# Altium PCB KCP-2282-601-PCBV3.8.PcbDoc (part 1 of 3) (continued)
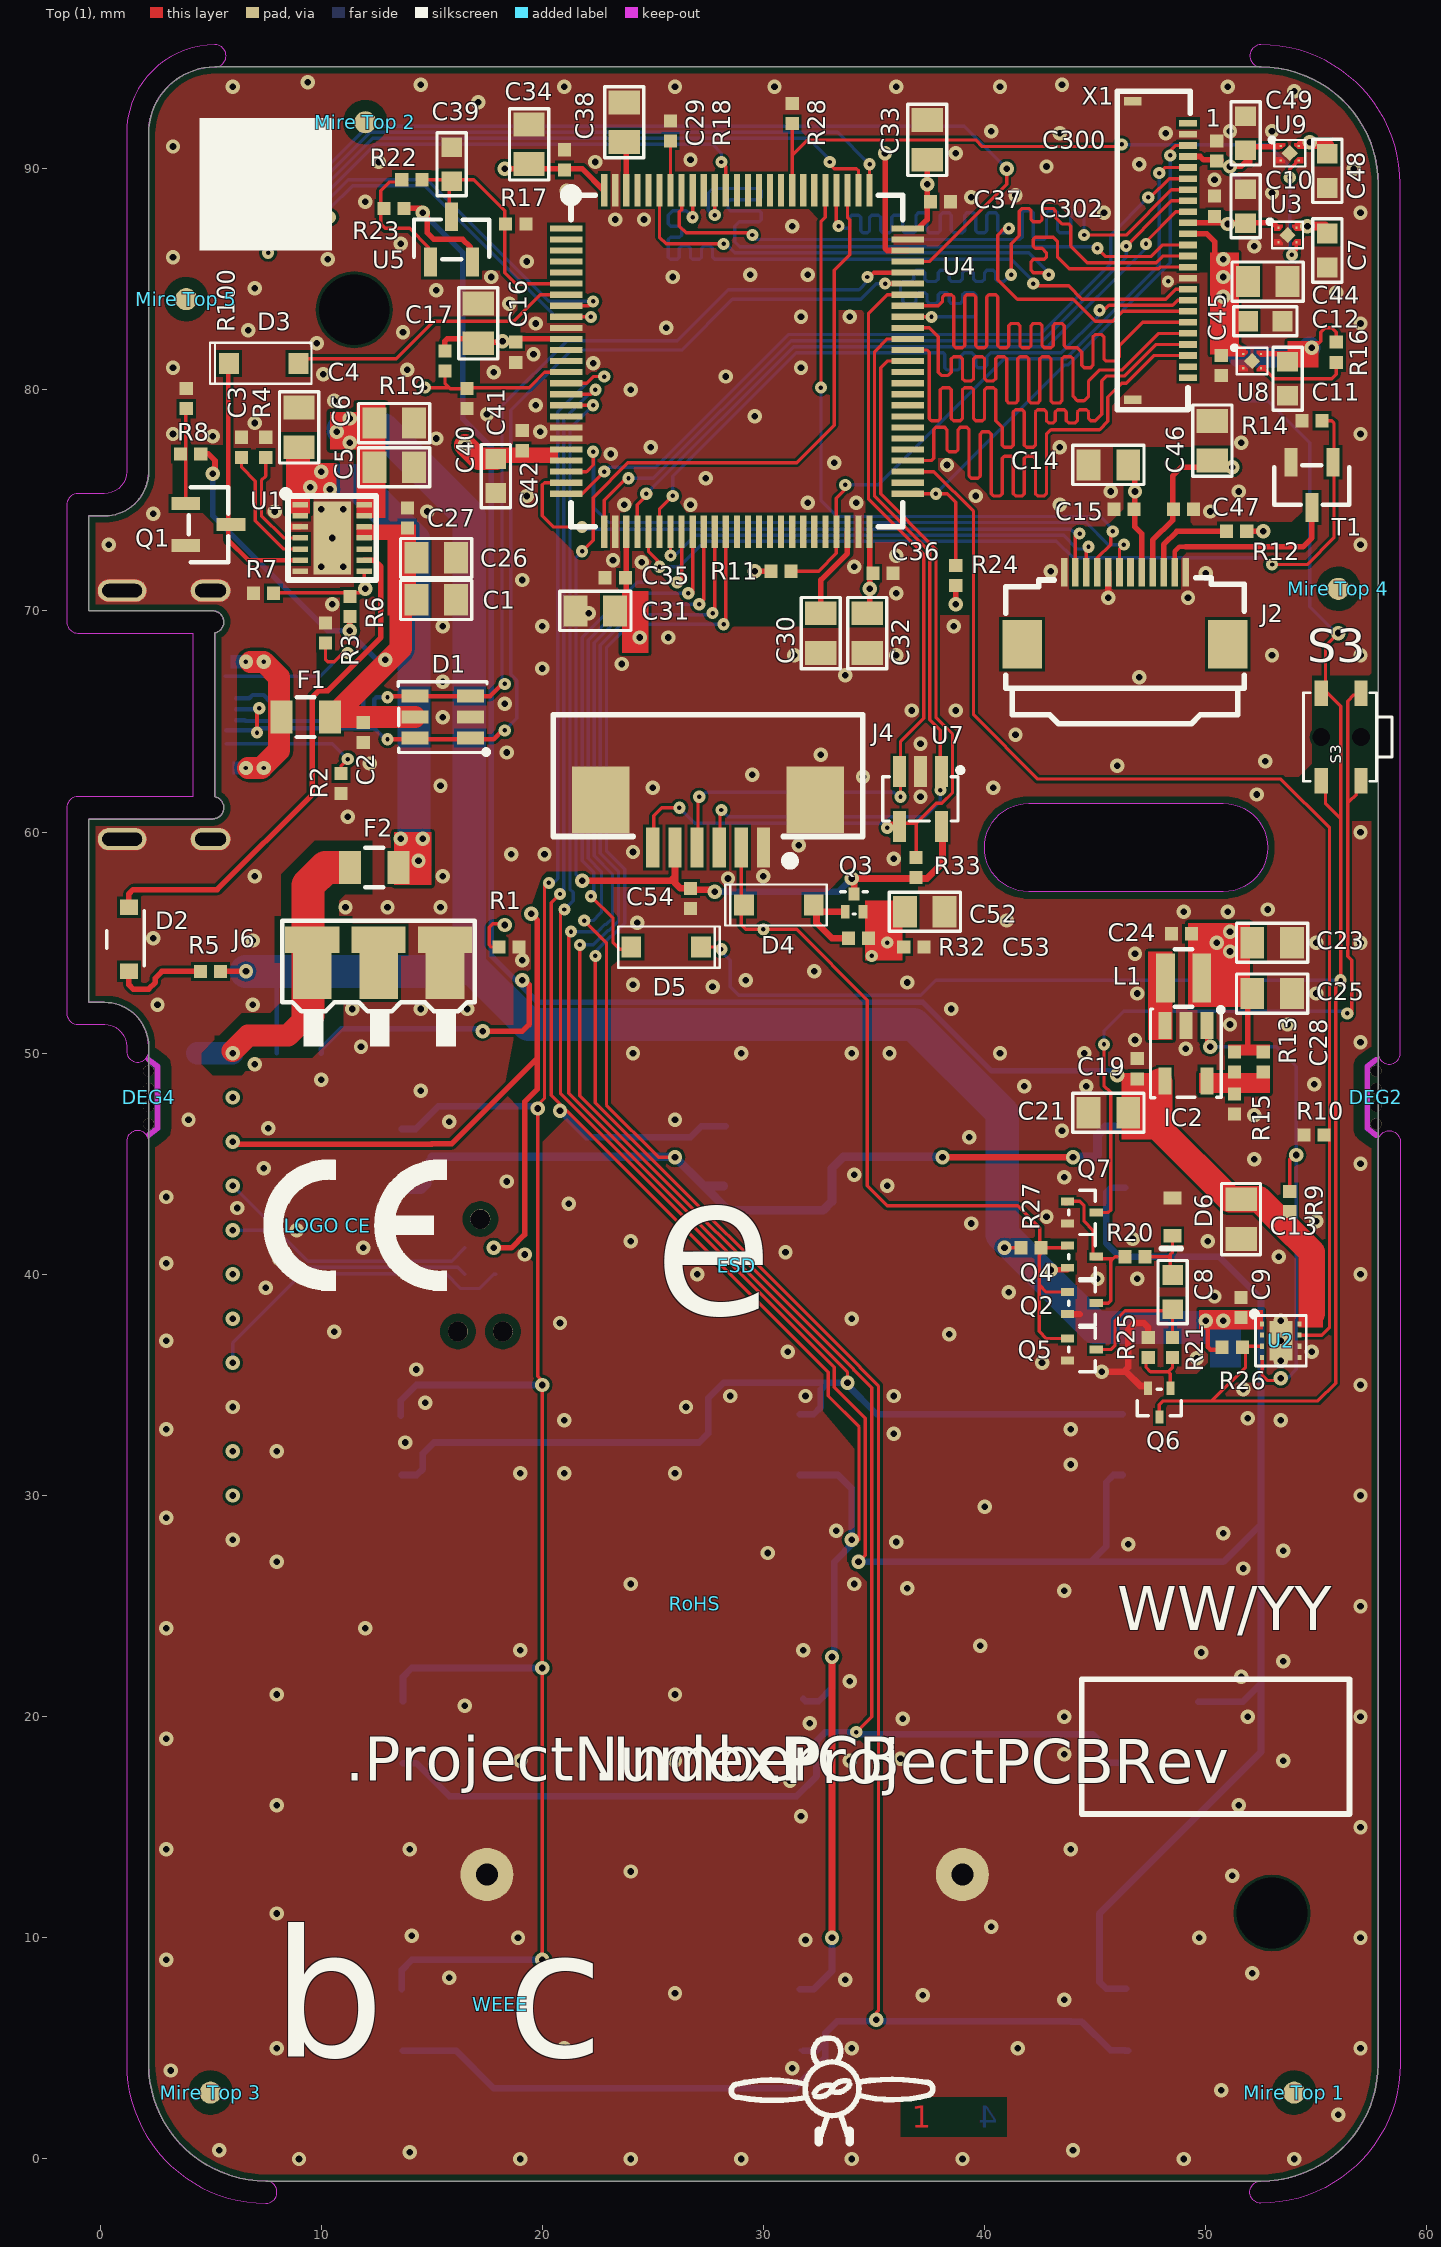
[diagram p0: Top (1) view]
## Design rules (kind name [scope] priority, off if disabled: settings) (continued)
FanoutControl Fanout_LCC [IsLCC] p4: bgadir=Out bgaviamode=Centered fanoutstyle=Auto fanoutdirection=Alternating viagrid=0.025 // Fanout_LCC (Default Rule)
FanoutControl Fanout_SOIC [IsSOIC] p5: bgadir=Out bgaviamode=Centered fanoutstyle=Auto fanoutdirection=Alternating viagrid=0.025 // Fanout_SOIC (Default Rule)
FanoutControl Fanout_Small_2 [(CompPinCount < 5)] p6: bgadir=Out bgaviamode=Centered fanoutstyle=Auto fanoutdirection=OutThenIn viagrid=0.025 // Fanout_Small (Default Rule)
FanoutControl Fanout_Small [(CompPinCount < 5)] p7: bgadir=Out bgaviamode=Centered fanoutstyle=Auto fanoutdirection=OutThenIn viagrid=0.025 // Fanout_Small (Default Rule)
FanoutControl Fanout_SOIC_2 [IsSOIC] p8: bgadir=Out bgaviamode=Centered fanoutstyle=Auto fanoutdirection=Alternating viagrid=0.025 // Fanout_SOIC (Default Rule)
FanoutControl Fanout_Default [All] p9: bgadir=Out bgaviamode=Centered fanoutstyle=Auto fanoutdirection=Alternating viagrid=0.025 // Fanout_Default (Default Rule)
FanoutControl Fanout_Default_2 [All] p10: bgadir=Out bgaviamode=Centered fanoutstyle=Auto fanoutdirection=Alternating viagrid=0.025 // Fanout_Default (Default Rule)
FanoutControl Fanout_BGA_1 [IsBGA] p11: bgadir=Out bgaviamode=Centered fanoutstyle=Auto fanoutdirection=Alternating viagrid=0.025 // Fanout_BGA (Default Rule)
FanoutControl Fanout_LCC_1 [IsLCC] p12: bgadir=Out bgaviamode=Centered fanoutstyle=Auto fanoutdirection=Alternating viagrid=0.025 // Fanout_LCC (Default Rule)
FanoutControl Fanout_SOIC_1 [IsSOIC] p13: bgadir=Out bgaviamode=Centered fanoutstyle=Auto fanoutdirection=Alternating viagrid=0.025 // Fanout_SOIC (Default Rule)
FanoutControl Fanout_Small_1 [(CompPinCount < 5)] p14: bgadir=Out bgaviamode=Centered fanoutstyle=Auto fanoutdirection=OutThenIn viagrid=0.025 // Fanout_Small (Default Rule)
FanoutControl Fanout_Default_1 [All] p15: bgadir=Out bgaviamode=Centered fanoutstyle=Auto fanoutdirection=Alternating viagrid=0.025 // Fanout_Default (Default Rule)
Height [All] p1: minheight=0 maxheight=50 prefheight=12.7
HoleSize [All] p1: absolutevalues=TRUE maxlimit=40 minlimit=0.1 maxpercent=80.000 minpercent=20.000
MatchedLengths [All] p1: tolerance=45 checknetsindiffpair=TRUE checkdiffpairvsdiffpair=FALSE checkxsignals=FALSE checkothers=FALSE
MinimumSolderMaskSliver [All] p1: minsoldermaskwidth=0.075
PasteMaskExpansion [All] p1: expansion=-0.05
PolygonConnect Connect_RF_0201 [HasFootprint('0201 - RF')    or HasFootprint('0402 - RF')] p1: connectstyle=Direct reliefconductorwidth=0.4 reliefentries=4 polygonreliefangle="90 Angle" airgapwidth=0.254
PolygonConnect ThermalVias [IsVia] p2: connectstyle=Direct reliefconductorwidth=0.254 reliefentries=4 polygonreliefangle="90 Angle" airgapwidth=0.254
PolygonConnect Connect [All] p3: connectstyle=Direct reliefconductorwidth=0.254 reliefentries=4 polygonreliefangle="90 Angle" airgapwidth=0.2
RoutingVias [All] p1: holewidth=0.3 width=1.27 viastyle="Through Hole" minholewidth=0.1 minwidth=0.25 maxholewidth=8 maxwidth=10
SilkToBoardRegionClearance SilkToBoardRegionClearance_2 [All] p2:
SilkToBoardRegionClearance SilkToBoardRegionClearance_1 [All] p3:
SilkToSilkClearance [All] p1 off: silktosilkclearance=0
SilkToSolderMaskClearance [IsPad] p1 off: minsilkscreentomaskgap=0 clearancetoexposedcopper=TRUE
SolderMaskExpansion [All] p1: expansion=0.075
SupplyNets "Schematic Supply Nets_7" [InNet('V1P5')] p1: voltage=0,000
SupplyNets "Schematic Supply Nets_6" [InNet('V3P0')] p2: voltage=0,000
SupplyNets "Schematic Supply Nets_5" [InNet('VSYS')] p3: voltage=0,000
SupplyNets "Schematic Supply Nets_4" [InNet('GND')] p4: voltage=0,000
SupplyNets "Schematic Supply Nets_3" [InNet('VSYS_SWITCHED')] p5: voltage=0,000
SupplyNets "Schematic Supply Nets_2" [InNet('V2P8')] p6: voltage=0,000
SupplyNets "Schematic Supply Nets_1" [InNet('V1P8')] p7: voltage=0,000
SupplyNets "Schematic Supply Nets" [InNet('VUSB')] p8: voltage=0,000
Width [All] p1: maxlimit=5 minlimit=0.15 preferedwidth=0.2
15 further rules are at their usual default settings.

## Classes and differential pairs
component class "01 POWER": 1V5 1V8 2V8 B C1 C2 C3 C4 C5 C6 C7 C8 C9 C10 C11 C12 C13 C19 C21 C23 C24 C25 C26 C27 C28 C48 C49 D1 D2 D3 D5 D6 F1 F2 GND IC2 J6 J8 L1 M Q1 Q2 Q4 Q5 Q6 Q7 R1 R2 R3 R4 R5 R6 R7 R8 R9 R10 R13 R15 R16 R20 R21 R25 R26 R27 R28 R100 S3 SC_SW SW U1 U2 U3 U8 U9 V3P0 VBAT VIN VSW VSYS
component class "02 MCU": C16 C17 C29 C30 C31 C32 C33 C34 C35 C36 C37 C38 C39 C40 C41 C42 GND4 J1V8 JGND JRST JSWC JSWD JTDI JTDO P210 R11 R17 R18 R19 R22 R23 R24 Rx4 Tx4 U4 U5
component class "03 PERIPHERALS": C14 C15 C44 C45 C46 C47 C52 C53 C54 C300 C302 D4 J2 J4 Q3 R12 R14 R32 R33 S1 S2 S5 S6 S7 S8 S9 S10 S11 S12 S13 S14 T1 U7 X1
component class "00 Structure": DEG2 DEG4 ESD "LOGO CE" "Mire BOT 1" "Mire BOT 2" "Mire BOT 3" "Mire BOT 4" "Mire Top 1" "Mire Top 2" "Mire Top 3" "Mire Top 4" "Mire Top 5" RoHS WEEE

## Components (designator, comment, footprint, x,y, rotation, side; value= is the part's Value field where it differs from the comment)
1V5 "TP" "TESTPOINT 1MM" 51.5,87.5 r0 bottom
1V8 "TP" "TESTPOINT 1MM" 51.5,85.5 r0 bottom
2V8 "TP" "TESTPOINT 1MM" 51.5,89.5 r0 bottom
B "TP" "PLAGE - ROUGE" 4.2,50.5 r90 bottom
C1 "0805X475M250CT" "0805 - CAPACITOR" 15.2,70.5 r0 top
C2 "0402B104K500CT" "0402 - CAPACITOR" 11.9,64.5 r270 top
C3 "CC0402KRX5R6BB475" "0402 - CAPACITOR" 6.4,77.4 r270 top
C4 "0805X475M250CT" "0805 - CAPACITOR" 9,78.3 r90 top
C5 "0805X475M250CT" "0805 - CAPACITOR" 13.3,76.5 r0 top
C6 "0805X475M250CT" "0805 - CAPACITOR" 13.3,78.5 r0 top
C7 "0603X105K500CT" "0603 - CAPACITOR" 55.5,86.3 r270 top
C8 "0603X105K500CT" "0603 - CAPACITOR" 48.5,39.2 r270 top
C9 "0402B104K500CT" "0402 - CAPACITOR" 51.6,38.5 r90 top
C10 "0603X105K500CT" "0603 - CAPACITOR" 51.8,88.3 r90 top
C11 "0603X105K500CT" "0603 - CAPACITOR" 53.7,80.5 r270 top
C12 "0603X105K500CT" "0603 - CAPACITOR" 52.7,83.1 r0 top
C13 "0805X475M250CT" "0805 - CAPACITOR" 51.6,42.5 r270 top
C14 "0805X475M250CT" "0805 - CAPACITOR" 45.6,76.6 r180 top
C15 "0402B104K500CT" "0402 - CAPACITOR" 46.3,74.6 r180 top
C16 "0402B104K500CT" "0402 - CAPACITOR" 18.8,81.7 r270 top
C17 "0805X475M250CT" "0805 - CAPACITOR" 17.1,83 r90 top
C19 "0402B104K500CT" "0402 - CAPACITOR" 46.9,49.3 r90 top
C21 "0805X475M250CT" "0805 - CAPACITOR" 45.6,47.3 r180 top
C23 "0805X475M250CT" "0805 - CAPACITOR" 53,55 r0 top
C24 "0402B104K500CT" "0402 - CAPACITOR" 48.9,55.4 r180 top
C25 "0805X475M250CT" "0805 - CAPACITOR" 53,52.7 r0 top
C26 "0805X475M250CT" "0805 - CAPACITOR" 15.2,72.4 r0 top
C27 "0402B104K500CT" "0402 - CAPACITOR" 13.9,74.2 r90 top
C28 "0402N9R0B500CT" "0402 - CAPACITOR" 52.6,49.6 r90 top
C29 "805X225M500CT" "0805 - CAPACITOR" 23.7,92.1 r90 top
C30 "805X225M500CT" "0805 - CAPACITOR" 32.6,69 r270 top
C31 "0805X475M250CT" "0805 - CAPACITOR" 22.4,70 r180 top
C32 "0805X475M250CT" "0805 - CAPACITOR" 34.7,69 r270 top
C33 "0805X475M250CT" "0805 - CAPACITOR" 37.4,91.3 r90 top
C34 "0805X475M250CT" "0805 - CAPACITOR" 19.4,91.1 r90 top
C35 "0402B104K500CT" "0402 - CAPACITOR" 23.3,71.5 r180 top
C36 "0402B104K500CT" "0402 - CAPACITOR" 35.4,71.7 r0 top
C37 "0402B104K500CT" "0402 - CAPACITOR" 38,88.5 r0 top
C38 "0402B104K500CT" "0402 - CAPACITOR" 21,90.4 r90 top
C39 "0603X105K500CT" "0603 - CAPACITOR" 15.9,90.2 r90 top
C40 "0402B104K500CT" "0402 - CAPACITOR" 16.6,79.6 r270 top
C41 "0603X105K500CT" "0603 - CAPACITOR" 17.9,76.1 r270 top
C42 "0402B104K500CT" "0402 - CAPACITOR" 19.1,77.7 r90 top
C44 "0805X475M250CT" "0805 - CAPACITOR" 52.8,84.9 r0 top
C45 "0402B104K500CT" "0402 - CAPACITOR" 50.7,81.1 r270 top
C46 "0805X475M250CT" "0805 - CAPACITOR" 50.3,77.7 r90 top
C47 "0402B104K500CT" "0402 - CAPACITOR" 49,74.6 r0 top
C48 "0603X105K500CT" "0603 - CAPACITOR" 55.5,89.9 r270 top
C49 "0603X105K500CT" "0603 - CAPACITOR" 51.8,91.6 r90 top
C52 "0805X475M250CT" "0805 - CAPACITOR" 37.3,56.4 r0 top
C53 "0402B104K500CT" "0402 - CAPACITOR" 36.8,54.8 r0 top
C54 "0402B104K500CT" "0402 - CAPACITOR" 26.7,57 r270 top
C300 "0402B104K500CT" "0402 - CAPACITOR" 50.5,90.8 r90 top
C302 "0402B104K500CT" "0402 - CAPACITOR" 50.4,88.3 r90 top
D1 "824001" "SOT23-6 0.95 VAR AA" 15.5,65.2 r90 top
D2 "LR_Y8SF-U1V2-1" "OSRAM LRY8SFU1V21" 1.2,55.15 r180 top
D3 "MBR0530-TP" "SOD123 DIODE INC" 7.4,81.2 r180 top
D4 "MBR0530-TP" "SOD123 DIODE INC" 30.7,56.7 r180 top
D5 "MBR0530-TP" "SOD123 DIODE INC" 25.6,54.8 r0 top
D6 "BZX585-C3V0,135" "SOD523 TOSHIBA" 48.5,42.6 r90 top
DEG2 "DNI" "DEGRAPAGE 4 X 0.5" 57.7,48 r0 top
DEG4 "DNI" "DEGRAPAGE 4 X 0.5" 2.2,48 r180 top
ESD "ESD" LOGO_ESD_OVERLAY 28.8,40.4 r0 top
F1 "BNP05000F000" "0805 - FUSE" 9.3,65.2 r0 top
F2 "0ZCK0075FF2E" "0805 - FUSE" 12.4,58.4 r0 top
GND "TP" "TESTPOINT 1MM" 51.5,83.5 r0 bottom
GND4 "TP" "TESTPOINT 1MM" 6,28 r270 bottom
IC2 "SY8088IAAC" "SOT23-5 0.95 VAR AA" 49.1,50 r180 top
J1V8 "TP" "TESTPOINT 1MM" 6,46 r270 bottom
J2 "FFC2B35-12-G" "GCT FFC2B35-12-G" 46.35,68.5 r0 top locked
J4 "AFA07-S06FCA-00" "JUSHUO AFA07-S15FCC-00" 27.5,59.3 r180 top locked
J6 "1982633-1" "TE 19826331" 12.6,54.1 r180 top
J8 "U6252-35c" "ANTENK U6252-35C" 1,65.3 r270 bottom
JGND "TP" "TESTPOINT 1MM" 6,34 r270 bottom
JRST "TP" "TESTPOINT 1MM" 6,36 r270 bottom
JSWC "TP" "TESTPOINT 1MM" 6,42 r270 bottom
JSWD "TP" "TESTPOINT 1MM" 6,44 r270 bottom
JTDI "TP" "TESTPOINT 1MM" 6,38 r270 bottom
JTDO "TP" "TESTPOINT 1MM" 6,40 r270 bottom
L1 "BWVF002520122R2M00" "CHILISON BWF00252012" 49,53.4 r0 top
"LOGO CE" "LOGO CE" LOGO_CE 10.3,42.2 r0 top
M "TP" "PLAGE - NOIRE" 4.1,25.6 r270 bottom
"Mire BOT 1" "DNI" MIRE 54,3 r90 bottom
"Mire BOT 2" "DNI" MIRE 5,92 r90 bottom
"Mire BOT 3" "DNI" MIRE 5,3 r90 bottom
"Mire BOT 4" "DNI" MIRE 56,71 r90 bottom
"Mire Top 1" "DNI" MIRE 54,3 r90 top
"Mire Top 2" "DNI" MIRE 12,92.1 r90 top
"Mire Top 3" "DNI" MIRE 5,3 r90 top
"Mire Top 4" "DNI" MIRE 56,71 r90 top
"Mire Top 5" "DNI" MIRE 3.9,84.1 r90 top
P210 "TC2030-MCP-NL" TC2030-MCP-NL 17.2,42.5 r270 bottom
Q1 "BSS123-TP" "SOT23-VAR AB" 4.9,73.9 r270 top
Q2 "RE1C001UNTCL" SOT-416-3 44.4,38.7 r270 top
Q3 "RZM002P02T2L" SOT-723 34.1,56.8 r0 top
Q4 "RE1C001ZPTL" SOT-416-3 44.4,40.8 r270 top
Q5 "RE1C001UNTCL" SOT-416-3 44.4,36.6 r270 top
Q6 "RE1C001UNTCL" SOT-416-3 47.9,34.2 r180 top
Q7 "RE1C001UNTCL" SOT-416-3 44.4,42.8 r270 top
R1 "ERT-J0EP473GM" "0402 - RESISTOR" 18.5,54.8 r180 top
R2 "RC0402FR-075K1L" "0402 - RESISTOR" 10.9,62.2 r90 top
R3 "RC0402FR-075K1L" "0402 - RESISTOR" 10.2,69 r270 top
R4 "RC0402FR-075K1L" "0402 - RESISTOR" 7.5,77.4 r90 top
R5 "RC0402FR-07200RL" "0402 - RESISTOR" 5,53.7 r180 top
R6 "RC0402FR-0740K2L" "0402 - RESISTOR" 11.3,70.2 r270 top
R7 "RC0402FR-07118KL" "0402 - RESISTOR" 7.4,70.8 r0 top
R8 "RC0402FR-0710KL" "0402 - RESISTOR" 4.1,77.1 r0 top
R9 "RC0402FR-07100KL" "0402 - RESISTOR" 53.8,43.3 r90 top
R10 "RC0402FR-07100KL" "0402 - RESISTOR" 54.9,46.3 r0 top
R11 "RC0402FR-0710KL" "0402 - RESISTOR" 30.8,71.8 r180 top
R12 "RC0402FR-0710RL" "0402 - RESISTOR" 51.4,73.6 r0 top
R13 "RC0402FR-07205KL" "0402 - RESISTOR" 51.3,49.6 r270 top
R14 "RC0402FR-07100KL" "0402 - RESISTOR" 54.8,78.6 r0 top
R15 "RC0402FR-0749K9L" "0402 - RESISTOR" 51.3,47.7 r90 top
R16 "RC0402FR-07100KL" "0402 - RESISTOR" 55.9,81.7 r270 top
R17 "RC0402FR-0710KL" "0402 - RESISTOR" 18.8,87.5 r180 top
R18 "RC0402FR-0710KL" "0402 - RESISTOR" 25.8,91.7 r270 top
R19 "RC0402FR-0710KL" "0402 - RESISTOR" 15.6,81.3 r90 top
R20 "RC0402FR-0710KL" "0402 - RESISTOR" 46.8,40.8 r0 top
R21 "RC0402FR-07220KL" "0402 - RESISTOR" 48.5,36.7 r90 top
R22 "RC0402FR-07220KL" "0402 - RESISTOR" 14.1,89.5 r180 top
R23 "RC0402FR-0775KL" "0402 - RESISTOR" 13.3,88.2 r0 top
R24 "RC0402FR-0710KL" "0402 - RESISTOR" 38.7,71.6 r270 top
R25 "RC0402FR-07220KL" "0402 - RESISTOR" 47.4,36.7 r270 top
R26 "RC0402FR-07750KL" "0402 - RESISTOR" 51.2,36.7 r180 top
R27 "RC0201FR-071ML" "0402 - RESISTOR" 42.1,41.2 r180 top
R28 "RC0402FR-07100KL" "0402 - RESISTOR" 31.3,92.5 r270 top
R32 "RC0402FR-07220KL" "0402 - RESISTOR" 34.3,55.2 r180 top
R33 "RC0402FR-0711K5L" "0402 - RESISTOR" 36.9,58.4 r270 top
R100 "RC0402FR-07220KL" "0402 - RESISTOR" 3.9,79.6 r270 top
RoHS "" LOGO_ROHS_OVERLAY 26.9,25.1 r0 top
Rx4 "TP" "TESTPOINT 1MM" 6,30 r0 bottom
S1 "TS-3737-B" "XKB TS3-737" 12,45.294 r90 bottom
S2 "TS-3737-B" "XKB TS3-737" 12,32.294 r90 bottom
S3 "TS-1821C" "SONG TS1821C" 56.12,64.3 r90 top
S5 "TS-3737-B" "XKB TS3-737" 12,19.294 r90 bottom
S6 "TS-3737-B" "XKB TS3-737" 12,6.294 r90 bottom
S7 "TS-3737-B" "XKB TS3-737" 30,45.294 r270 bottom
S8 "TS-3737-B" "XKB TS3-737" 30,32.294 r90 bottom
S9 "TS-3737-B" "XKB TS3-737" 30,19.294 r90 bottom
S10 "TS-3737-B" "XKB TS3-737" 30,6.294 r90 bottom
S11 "TS-3737-B" "XKB TS3-737" 48,45.294 r270 bottom
S12 "TS-3737-B" "XKB TS3-737" 47.9,32.294 r270 bottom
S13 "TS-3737-B" "XKB TS3-737" 48.02,19.294 r90 bottom
S14 "TS-3737-B" "XKB TS3-737" 48,6.294 r270 bottom
SC_SW "TP" "TESTPOINT 1MM" 30,55.6 r90 bottom
SW "TP" "TESTPOINT 1MM" 51.5,79.5 r0 bottom
T1 "NTR3C21NZT1G" "SOT23-VAR AB" 54.8,75.7 r180 top
Tx4 "TP" "TESTPOINT 1MM" 6,32 r0 bottom
U1 "MP2607DL-LF-P" QFN14-0.5-3S4 10.5,73.3 r270 top
U2 "XC6194AA05ER-G" "TOREX USP-8B06" 53.4,37 r270 top
U3 "NCP115AMX150TCG" "ON SEMI NCV8160AMX330TBG" 53.7,87 r0 top
U4 "STM32H573VIT6" LQFP-100 28.8,81.3 r0 top locked
U5 "TLVH431AQDBZR" "SOT23-VAR AB" 15.9,86.8 r0 top
U7 "ESDS312DBVR" SOT95P270X145-5N 37.1,61.5 r270 top
U8 "NCP115AMX180TCG" "ON SEMI NCV8160AMX330TBG" 52.1,81.3 r0 top
U9 "NCP115AMX280TCG" "ON SEMI NCV8160AMX330TBG" 53.8,90.7 r0 top
V3P0 "TP" "TESTPOINT 1MM" 51.5,81.5 r270 bottom
VBAT "TP" "TESTPOINT 1MM" 6,50 r270 bottom
VIN "TP" "TESTPOINT 1MM" 6,48 r0 bottom
VSW "TP" "TESTPOINT 1MM" 10,50 r0 bottom
VSYS "TP" "TESTPOINT 1MM" 8,50 r270 bottom
WEEE "WEEE" LOGO_WEEE_OVERLAY 18.1,7 r0 top
X1 "HC-FPC-05-09-24RLTAG" "HCTL HC-FPC-05-09-24RLTAG" 49.2,86.3 r270 top locked

## Footprints (in the part's own frame and the unit in brackets; to place one, negate y for a bottom-side part, rotate by r counter-clockwise, add the part's x,y. Pads: shape width x height; smd on the part's side, far side on the other; paste and mask are expansions set on the pad)
"0402 - CAPACITOR" [mm] "Boitier Chip"
  rect 0.59x0.6 smd: 1(-0.455,0) 2(0.455,0)
  body extent -0.5,-0.3 0.5,0.3, height 0.2
"0402 - RESISTOR" [mm] "Boitier Chip 0402 - Densite moyenne - 1.05x0.55mm - h0.55mm"
  rect 0.59x0.6 smd: 1(-0.455,0) 2(0.455,0)
  body extent -0.51,-0.25 0.49,0.25, height 0.38
"0603 - CAPACITOR" [mm] "Boitier Chip"
  rect 0.89x0.93 smd: 1(-0.77,0) 2(0.77,0)
  silkscreen extent -1.43,-0.66 1.43,0.66, body extent -0.79,-0.39 0.81,0.41, height 0.8
"0805 - CAPACITOR" [mm] "Boitier Chip 0805 - Densite moyenne - 2.15x1.4mm - h1.4mm"
  rect 1.08x1.42 smd: 1(-0.895,0) 2(0.895,0)
  silkscreen extent -1.61,-0.89 1.61,0.88, body extent -1.02,-0.63 0.98,0.62, height 0.6
"0805 - FUSE" [mm] "FUSC2214X125N"
  rect 1x1.5 smd: 1(-1.1,0) 2(1.1,0)
  silkscreen extent -0.4,-0.9 0.4,0.9, body extent -1.4,-0.7 1.4,0.7, height 0.63
"ANTENK U6252-35C" [mm] "GCT_USB4510-03-1-A_REVA"
  rect 0.6x1.4 smd: A1_B12(3.2,-5.05) A4_B9(2.4,-5.05) B1_A12(-3.2,-5.05) B4_A9(-2.4,-5.05)
  rect 0.3x1.4 smd: A5(1.25,-5.05) A6(0.25,-5.05) A7(-0.25,-5.05) A8(-1.25,-5.05) B5(-1.75,-5.05) B6(-0.75,-5.05) B7(0.75,-5.05) B8(1.75,-5.05)
  oval 1x2.2 hole 0.6 slot 1.8 at 90 deg: S1(5.62,0) S4(-5.62,0)
  oval 1x1.8 hole 0.6 slot 1.4 at 90 deg: S2(-5.62,-4) S3(5.62,-4)
  Bottom (4) region: 5.625,-3.095 5.875,-3.164 6.058,-3.349 6.125,-3.6 6.125,-3.6 6.125,-4.4 6.058,-4.651 5.875,-4.836 5.625,-4.905 5.625,-4.905 5.43,-4.868 5.265,-4.759 5.154,-4.594 5.115,-4.4 5.115,-4.4 5.115,-3.6 5.154,-3.406 5.265,-3.241 5.43,-3.132 5.625,-3.095
  Bottom (4) region: -5.625,-3.095 -5.43,-3.132 -5.265,-3.241 -5.154,-3.406 -5.115,-3.6 -5.115,-3.6 -5.115,-4.4 -5.154,-4.594 -5.265,-4.759 -5.43,-4.868 -5.625,-4.905 -5.625,-4.905 -5.875,-4.836 -6.058,-4.651 -6.125,-4.4 -6.125,-4.4 -6.125,-3.6 -6.058,-3.349 -5.875,-3.164 -5.625,-3.095
  Bottom (4) region: -5.615,1.105 -5.364,1.036 -5.182,0.851 -5.115,0.6 -5.115,0.6 -5.115,-0.6 -5.182,-0.851 -5.364,-1.036 -5.615,-1.105 -5.615,-1.105 -5.81,-1.068 -5.975,-0.959 -6.086,-0.794 -6.125,-0.6 -6.125,-0.6 -6.125,0.6 -6.086,0.794 -5.975,0.959 -5.81,1.068 -5.615,1.105
  Bottom (4) region: 5.615,1.105 5.81,1.068 5.975,0.959 6.086,0.794 6.125,0.6 6.125,0.6 6.125,-0.6 6.086,-0.794 5.975,-0.959 5.81,-1.068 5.615,-1.105 5.615,-1.105 5.364,-1.036 5.182,-0.851 5.115,-0.6 5.115,-0.6 5.115,0.6 5.182,0.851 5.364,1.036 5.615,1.105
  silkscreen extent -5.1,-5.6 5.1,1.4, body extent -5.77,-5.2 5.77,2, height 1.56
"CHILISON BWF00252012" [mm] "FUSC2214X125N"
  rect 0.85x2.2 smd: 1(-0.825,0) 2(0.825,0)
  silkscreen extent -0.4,-1.3 0.4,1.3, body extent -1.3,-1 1.3,1, height 1.3
"DEGRAPAGE 4 X 0.5" [mm] "4 TROUS DIAMETRE 0.5mm"
  round 0.5 hole 0.5 unplated paste-2539.97 mask+0: 0(0,-1.2) 0(0,-0.4) 0(0,0.4) 0(0,1.2)
  Keep-Out Layer lines w0.254: 0,-1.7 -0.4,-1.4 -0.4,1.4 0,1.7
  body extent -0.3,-1.5 0.3,1.5, height 0.2
"GCT FFC2B35-12-G" [mm] "GCT_FFC2B35-12-G"
  rect 0.3x1.3 smd: 1(-2.75,3.25) 2(-2.25,3.25) 3(-1.75,3.25) 4(-1.25,3.25) 5(-0.75,3.25) 6(-0.25,3.25) 7(0.25,3.25) 8(0.75,3.25) 9(1.25,3.25) 10(1.75,3.25) 11(2.25,3.25) 12(2.75,3.25)
  rect 1.8x2.2 smd: S1(-4.65,0) S2(4.65,0)
  silkscreen extent -5.4,-3.6 5.4,3, body extent -5.2,-3.34 5.2,3.42, height 2
"HCTL HC-FPC-05-09-24RLTAG" [mm] "FTSH10501LDVKTR"
  rect 0.4x0.8 smd: 0(-6.75,-2.5) 0(6.75,-2.5)
  rect 0.3x0.8 smd: 1(-5.75,0) 2(-5.25,0) 3(-4.75,0) 4(-4.25,0) 5(-3.75,0) 6(-3.25,0) 7(-2.75,0) 8(-2.25,0) 9(-1.75,0) 10(-1.25,0) 11(-0.75,0) 12(-0.25,0) 13(0.25,0) 14(0.75,0) 15(1.25,0) 16(1.75,0) 17(2.25,0) 18(2.75,0) 19(3.25,0) 20(3.75,0) 21(4.25,0) 22(4.75,0) 23(5.25,0) 24(5.75,0)
  silkscreen extent -7.2,-3.2 7.2,0.1, body extent -7.1,-3.1 7.1,0.3, height 1
"JUSHUO AFA07-S15FCC-00" [mm] "HFW6R-1STE1H1LF"
  rect 2.6x3 smd: 0(-4.85,-2.17) 0(4.85,-2.17)
  rect 0.6x1.8 smd: 1(-2.5,0) 2(-1.5,0) 3(-0.5,0) 4(0.5,0) 5(1.5,0) 6(2.5,0)
  silkscreen extent -7,-6 7,0.7, body extent -6.96,-6.04 6.97,0.51, height 2.56
LOGO_CE [mm] "CE"
  silkscreen extent -2.91,-2.93 5.38,2.98
LOGO_ESD_OVERLAY [mm] "AntiStatic"
LOGO_ROHS_OVERLAY [mm]
LOGO_WEEE_OVERLAY [mm]
LQFP-100 [mil] "LQFP-100_STM"
  rect 58x11 smd: 1(-304,236.22) 2(-304,216.54) 3(-304,196.85) 4(-304,177.17) 5(-304,157.48) 6(-304,137.8) 7(-304,118.11) 8(-304,98.43) 9(-304,78.74) 10(-304,59.06) 11(-304,39.37) 12(-304,19.69) 13(-304,0) 14(-304,-19.69) 15(-304,-39.37) 16(-304,-59.06) 17(-304,-78.74) 18(-304,-98.43) 19(-304,-118.11) 20(-304,-137.8) 21(-304,-157.48) 22(-304,-177.17) 23(-304,-196.85) 24(-304,-216.54) 25(-304,-236.22) 51(304,-236.22) 52(304,-216.54) 53(304,-196.85) 54(304,-177.17) 55(304,-157.48) 56(304,-137.8) 57(304,-118.11) 58(304,-98.43) 59(304,-78.74) 60(304,-59.06) 61(304,-39.37) 62(304,-19.69) 63(304,0) 64(304,19.69) 65(304,39.37) 66(304,59.06) 67(304,78.74) 68(304,98.43) 69(304,118.11) 70(304,137.8) 71(304,157.48) 72(304,177.17) 73(304,196.85) 74(304,216.54) 75(304,236.22)
  rect 11x58 smd: 26(-236.22,-304) 27(-216.54,-304) 28(-196.85,-304) 29(-177.17,-304) 30(-157.48,-304) 31(-137.8,-304) 32(-118.11,-304) 33(-98.43,-304) 34(-78.74,-304) 35(-59.06,-304) 36(-39.37,-304) 37(-19.69,-304) 38(0,-304) 39(19.69,-304) 40(39.37,-304) 41(59.06,-304) 42(78.74,-304) 43(98.43,-304) 44(118.11,-304) 45(137.8,-304) 46(157.48,-304) 47(177.17,-304) 48(196.85,-304) 49(216.54,-304) 50(236.22,-304) 76(236.22,304) 77(216.54,304) 78(196.85,304) 79(177.17,304) 80(157.48,304) 81(137.8,304) 82(118.11,304) 83(98.43,304) 84(78.74,304) 85(59.06,304) 86(39.37,304) 87(19.69,304) 88(0,304) 89(-19.69,304) 90(-39.37,304) 91(-59.06,304) 92(-78.74,304) 93(-98.43,304) 94(-118.11,304) 95(-137.8,304) 96(-157.48,304) 97(-177.17,304) 98(-196.85,304) 99(-216.54,304) 100(-236.22,304)
  silkscreen extent -303,-295 295,303, body extent -318,-318 318,318, height 64
MIRE [mm] "Mire dans Polygone - 1mm/2mm - Validee Indus"
  round 1 smd paste+0 mask+0.4: 0(0,0)
  Top (1) pour cut-out: -0.995,-0.105 -0.987,-0.168 -0.981,-0.195 -0.972,-0.234 -0.966,-0.261 -0.955,-0.301 -0.944,-0.331 -0.929,-0.368 -0.918,-0.398 -0.898,-0.441 -0.868,-0.497 -0.844,-0.537 -0.814,-0.58 -0.795,-0.608 -0.748,-0.662 -0.713,-0.701 -0.671,-0.743 -0.611,-0.792 -0.578,-0.817 -0.531,-0.847 -0.488,-0.873 -0.442,-0.897 -0.406,-0.913 -0.368,-0.93 -0.327,-0.945 -0.287,-0.958 -0.253,-0.968 -0.217,-0.976 -0.175,-0.983 -0.136,-0.991 -0.069,-0.998 0.009,-1 0.126,-0.993 0.174,-0.985 0.221,-0.976 0.262,-0.965 0.319,-0.948 0.362,-0.933 0.417,-0.909 0.465,-0.885 0.512,-0.86 0.541,-0.84 0.578,-0.817 0.618,-0.785 0.654,-0.757 0.713,-0.701 0.775,-0.633 0.801,-0.599 0.83,-0.558 0.855,-0.519 0.876,-0.486 0.893,-0.448 0.917,-0.4 0.94,-0.342 0.96,-0.28 0.972,-0.234 0.99,-0.147 0.998,-0.07 1,0.002 0.995,0.093 0.984,0.182 0.972,0.232 0.957,0.289 0.943,0.331 0.921,0.391 0.893,0.448 0.866,0.502 0.828,0.56 0.793,0.611 0.742,0.67 0.681,0.731 0.631,0.776 0.578,0.817 0.538,0.845 0.504,0.864 0.465,0.886 0.432,0.902 0.391,0.92 0.341,0.94 0.299,0.954 0.256,0.968 0.207,0.979 0.157,0.987 0.106,0.995 0.034,1 -0.061,0.998 -0.138,0.991 -0.185,0.983 -0.246,0.97 -0.289,0.957 -0.343,0.941 -0.384,0.924 -0.434,0.901 -0.47,0.884 -0.51,0.861 -0.551,0.835 -0.595,0.805 -0.636,0.772 -0.682,0.731 -0.722,0.691 -0.778,0.63 -0.818,0.575 -0.844,0.537 -0.868,0.497 -0.902,0.432 -0.923,0.384 -0.946,0.325 -0.964,0.265 -0.977,0.215 -0.995,0.1 -0.999,0.066 -1.001,0.009
"ON SEMI NCV8160AMX330TBG" [mm] "VREG_NCV8160AMX330TBG"
  rect 0.1x0.1 smd paste+0 mask+0: 1(-0.405,0.325) 2(-0.405,-0.325) 3(0.405,-0.325) 4(0.405,0.325)
  rect 0.52x0.52 smd rot 45 mask+0: 5(0,0)
  Top (1) region: 0.605,0.46 0.205,0.46 0.205,0.343 0.358,0.19 0.605,0.19
  Top (1) region: 0.605,-0.46 0.205,-0.46 0.205,-0.343 0.358,-0.19 0.605,-0.19
  Top (1) region: -0.605,-0.46 -0.205,-0.46 -0.205,-0.343 -0.358,-0.19 -0.605,-0.19
  Top (1) region: -0.605,0.46 -0.205,0.46 -0.205,0.343 -0.358,0.19 -0.605,0.19
  silkscreen extent -0.9,-0.6 0.7,0.7, body extent -0.45,-0.5 0.55,0.5, height 0.36
"OSRAM LRY8SFU1V21" [mil] "LRY8SFU1V21"
  rect 31.5x27.56 smd: 1(-4.41,-57.09) 2(-4.41,57.09)
  silkscreen extent -31,-51 35,47, body extent -24,-65 28,65, height 51
"PLAGE - NOIRE" [mm]
  rrect50% 3x1.5 smd paste-5 mask+0.102: 1(0,0)
  body extent -1.4,-0.7 1.4,0.7, height 0.01
"PLAGE - ROUGE" [mm]
  rrect50% 3x1.5 smd paste-5 mask+0.102: 1(0,0)
  body extent -1.4,-0.7 1.4,0.7, height 0.01
QFN14-0.5-3S4 [mm] "QFN-14"
  rect 0.25x0.7 smd: 1(-1.5,-1.45) 2(-1,-1.45) 3(-0.5,-1.45) 4(0,-1.45) 5(0.5,-1.45) 6(1,-1.45) 7(1.5,-1.45) 8(1.5,1.45) 9(1,1.45) 10(0.5,1.45) 11(0,1.45) 12(-0.5,1.45) 13(-1,1.45) 14(-1.5,1.45)
  rect 3.3x1.7 smd: TH_PAD(0,0)
  silkscreen extent -2.1,-2.2 1.9,2, body extent -1.7,-1.8 1.7,1.8, height 1
"SOD123 DIODE INC" [mm] "Package SOD-123 - 2.85x1.7mm - h1.35"
  rect 0.9x0.95 smd: 1(1.575,0) 2(-1.575,0)
  silkscreen extent -2.17,-0.93 2.43,0.93, body extent -1.93,-0.8 1.93,0.9, height 0.92
"SOD523 TOSHIBA" [mm] "SOD-523 package"
  rect 0.6x0.8 smd paste-0.05: 1(-0.85,0) 2(0.85,0)
  silkscreen extent -1.43,-0.4 -1.43,0.5, body extent -0.78,-0.4 0.82,0.4, height 0.7
"SONG TS1821C" [mm] "434331013822_PCKG"
  round 0 hole 0.8 unplated paste-2539.97 mask+0: 0(0,0.9) 0(0,-0.9)
  rect 1.15x0.6 smd: 1(-1.975,0.9) 2(1.975,0.9) 3(-1.975,-0.9) 4(1.975,-0.9)
  silkscreen extent -2,-2.3 2,1.7, body extent -2.35,-2.1 2.35,1.45, height 1.35
"SOT23-5 0.95 VAR AA" [mm] "Jedec MO-178 var AA LMV321M5/NOP SOT23-5 - 3.1x1.75mm - h1.45mm"
  rect 0.59x1.21 smd paste-0.025 mask+0.07: 1(-0.95,-1.255) 2(0,-1.255) 3(0.95,-1.255) 4(0.95,1.255) 5(-0.95,1.255)
  silkscreen extent -1.65,-2.03 1.6,2.01, body extent -1.5,-1.5 1.5,1.5, height 1.3
"SOT23-6 0.95 VAR AA" [mm] "Jedec MO-178 var AA LMV321M5/NOP SOT23-5 - 3.1x1.75mm - h1.45mm"
  rect 0.59x1.21 smd paste-0.025 mask+0.07: 1(-0.95,-1.255) 2(0,-1.255) 3(0.95,-1.255) 4(0.95,1.255) 5(0,1.255) 6(-0.95,1.255)
  silkscreen extent -1.65,-2.03 1.6,2.01, body extent -1.5,-1.5 1.5,1.5, height 1.3
"SOT23-VAR AB" [mm] "JEDEC TO236 - Package SOT23 IPC var AB"
  rect 0.59x1.3 smd paste-0.025 mask+0.07: 1(-0.95,-1.025) 2(0.95,-1.025) 3(0,1.025)
  silkscreen extent -1.7,-0.89 1.7,0.9, body extent -1.5,-1.3 1.5,1.34, height 1.08
SOT95P270X145-5N [mm] "SOT95P270X145-5N"
  rect 1.4x0.6 smd: 1(-1.25,0.95) 2(-1.25,0) 3(-1.25,-0.95) 4(1.25,-0.95) 5(1.25,0.95)
  silkscreen extent -1.4,-1.7 1,1.9, body extent -1.5,-1.5 1.5,1.5, height 1.3
SOT-416-3 [mm] "RE1C001ZPTL"
  rect 0.36x0.6 smd: 1(-0.5,-0.65) 2(0.5,-0.65) 3(0,0.65)
  silkscreen extent -1,-0.6 1,0.6, body extent -0.85,-0.85 0.85,0.85, height 0.78
SOT-723 [mm] "ROHM_SOT-723"
  rect 0.4x0.6 smd: 1(-0.4,-0.4) 2(0.4,-0.4)
  rect 0.5x0.6 smd: 3(0,0.4)
  silkscreen extent -0.6,-0.5 0.6,0.5, body extent -0.63,-0.5 0.62,0.55, height 0.45
TC2030-MCP-NL [mm]
  round 0.8 smd paste-10: 1(1.27,-0.635) 2(1.27,0.635) 3(2.54,-0.635) 4(2.54,0.635) 5(3.81,-0.635) 6(3.81,0.635)
  round 0.9 hole 0.889 unplated paste-2539.97: A(0,0) B(5.08,1.016) C(5.08,-1.016)
  Multi-Layer pour cut-out: -0.8,0 -0.739,-0.306 -0.566,-0.566 -0.306,-0.739 0,-0.8 0,-0.8 0.306,-0.739 0.566,-0.566 0.739,-0.306 0.8,0 0.8,0 0.739,0.306 0.566,0.566 0.306,0.739 0,0.8 0,0.8 -0.306,0.739 -0.566,0.566 -0.739,0.306 -0.8,0
  Multi-Layer pour cut-out: 4.28,1.016 4.341,0.71 4.514,0.45 4.774,0.277 5.08,0.216 5.08,0.216 5.386,0.277 5.646,0.45 5.819,0.71 5.88,1.016 5.88,1.016 5.819,1.322 5.646,1.582 5.386,1.755 5.08,1.816 5.08,1.816 4.774,1.755 4.514,1.582 4.341,1.322 4.28,1.016
  Multi-Layer pour cut-out: 4.28,-1.016 4.341,-1.322 4.514,-1.582 4.774,-1.755 5.08,-1.816 5.08,-1.816 5.386,-1.755 5.646,-1.582 5.819,-1.322 5.88,-1.016 5.88,-1.016 5.819,-0.71 5.646,-0.45 5.386,-0.277 5.08,-0.216 5.08,-0.216 4.774,-0.277 4.514,-0.45 4.341,-0.71 4.28,-1.016
  silkscreen extent -0.5,-1.2 6,1.2
"TE 19826331" [mm] "19826331"
  rect 1.75x2.08 smd: 1(-3,0.6) 2(0,0.6) 3(3,0.6)
  rect 2.45x1.2 smd: 4(-3,-1.04) 5(0,-1.04) 6(3,-1.04)
  silkscreen extent -4.35,-1.9 4.35,3.8, body extent -4.35,-1.67 4.35,3.7, height 4.5
"TESTPOINT 1MM" [mm]
  round 1 smd paste-2 mask+0.1: 1(0,0)
  body extent -0.5,-0.5 0.5,0.5, height 0.1
"TOREX USP-8B06" [mm] "TOREX_USP-8B06"
  rect 0.23x0.18 smd: 1(-0.75,-0.85) 2(-0.25,-0.85) 3(0.25,-0.85) 4(0.75,-0.85) 5(0.75,0.85) 6(0.25,0.85) 7(-0.25,0.85) 8(-0.75,0.85)
  rrect2% 1.8x1.04 smd: TH_PAD(0,0)
  silkscreen extent -1.3,-1.3 1.14,1.14, body extent -1,-1 1,1, height 0.75
"XKB TS3-737" [mm] "CDRH5D28"
  rect 0.65x0.7 smd: A(1.375,1.65) B(1.375,-1.65) C(-1.375,1.65) D(-1.375,-1.65)
  silkscreen extent -2.1,-2.2 2.1,2.2, body extent -1.9,-2 1.9,2, height 0.41

## Part data
1V5 1V8 2V8 B GND GND4 J1V8 JGND JRST JSWC JSWD JTDI JTDO M Rx4 SC_SW SW Tx4 V3P0 VBAT VIN VSW VSYS: "Pointe de test 1.27mm"
C1 C4 C5 C6 C13 C14 C17 C21 C23 C25 C26 C31 C32 C33 C34 C44 C46 C52: library part C-EU-C4.7µF-X5R-6.3V-0805, "CAP X5R 4.7µF 25V ±10% 0805"
C2 C9 C15 C16 C19 C24 C27 C35 C36 C37 C38 C40 C42 C45 C47 C53 C54 C300 C302: library part C-EU-C100NF-X7R-16V-0402, "CAP X7R 100nF 50V ±10% 0402"
C3: library part C-EU-C5UF-X7R-6.3V-0402, "CAP X5R 4.7µF 10V ±10% 0402"
C7 C8 C10 C11 C12 C39 C41 C48 C49: library part C-EU-C1µF-X5R-6.3V-0603, "CAP X5R 1µF 50V ±10% 0603"
C28: library part C-EU-C9PF-C0G-50V-0402, "CAP COG 9pF 50V ±0.1pF 0402"
C29 C30: library part C-EU-C2,2µF-X7R-16V-0805, "CAP X5R 2.2µF 50V ±10% 0805"
D1: "diode TVS, 82400 Series, Bidirectionelle"
D2: "Osram Opto Micro SIDELED Series Red LED, 120    Source:  Datasheet"
D3 D4 D5: library part MBR0530T1G, "Schottky Rectifier, 30 V, 500 mA, Single"
D6: library part MBR0530T1G, "Zener 3V, 300mW - SOD 523-3"
DEG2 DEG4: library part DEGRAP, "Dégrapage (Breakout Tab)"
ESD "LOGO CE": "ESD Logo"
F1: library part 0ZCK0050FF2E, "FUSE 500mA 6V 0805"
F2: "PTC Resettable Fuse 0.75A(hold) 1.5A(trip) 6VDC 40A 0.6W 0.2s 0.09Ohm SMD Solder Pad 0805 T/R Automotive   Source:  Datasheet"
IC2: library part "SILERGY SI8088IAAC", "DCDC 2V5..5V5  50µA 1V8..3V3"
J2: "0.5mm Side entry Flat Flexible Cable Connector, 12pin,  bottom contacts"
J4: library part "JUSHUO AFA07-S15FCC-00", "Connecteurs FFC et FPC FFC/FPC 6 positions, 1mm, right angle, bottom contact"
J6: "Connecteurs carte à carte et mezzanine BATTERY CONN 3 POSITION"
J8: library part "ANTENK U6252-35c", "Connecteurs USB USB C Rec 16P 3u\" Mid Mnt 1.6mm O-set SMT L = 6.5mm S-Spring"
L1: library part CDRH5D28NP-100NC, "IND 2.2µH, 20%, 1.8A 68mOhm 1MHz - 2.5x2"
"Mire BOT 1" "Mire BOT 2" "Mire BOT 3" "Mire BOT 4" "Mire Top 1" "Mire Top 2" "Mire Top 3" "Mire Top 4" "Mire Top 5": library part Mire, "Mire"
P210: "Connecteur Tag Connect - 6pts RJ45"
Q1: library part BSS123, "MOS N 100V 170mA Rds6R - SOT23"
Q2 Q5 Q6 Q7: "MOS N 20V 100mA Rds3.5R"
Q3: "MOS P 20V 200mA Rds1.2R"
Q4: "MOS P 20V 100mA Rds3.8R"
R1: "CTN 47k 2% B(25/50) 4050K 0/+1% - 0402"
R2 R3: library part R-EU-R5.1K-1%-0402, "RES 5.1k 63mW 1% 0402"
R4: library part R-EU-R4.53K-1%-0402, "RES 5.1k 63mW 1% 0402"
R5: library part R-EU-R200-1%-0402, "RES 200R 63mW 1% 0402"
R6: library part R-EU-R40.2K-1%-0402, "RES 40.2k 63mW 1% 0402"
R7: library part R-EU-R118K-1%-0402, "RES 118k 63mW 1% 0402"
R8 R11 R17 R18 R19 R20 R24: library part R-EU-R10K-1%-0402, "RES 10k 63mW 1% 0402"
R9 R10 R14 R16 R28: library part R-EU-R100K-1%-0402, "RES 100k 63mW 1% 0402"
R12: library part R-EU-R10-1%-0402, "RES 10R 63mW 1% 0402"
R13: library part R-EU-R100K-1%-0402, "RES 205k 63mW 1% 0402"
R15: library part R-EU-R100K-1%-0402, "RES 49k9 63mW 1% 0402"
R21 R22 R25 R32 R100: library part R-EU-R220K-1%-0402, "RES 220k 63mW 1% 0402"
R23: library part R-EU-R75K-1%-0402, "RES 75k 63mW 1% 0402"
R26: library part R-EU-R750K-1%-0402, "RES 750k 63mW 1% 0402"
R27: library part R-EU-R1M-1%-0402, "RES 1M 63mW 1% 0402"
R33: library part R-EU-R11.5K-1%-50V-0402, "RES 11k5 63mW 1% 0402"
RoHS: library part RoHS, "RoHS Logo"
S1 S2 S5 S6 S7 S8 S9 S10 S11 S12 S13 S14: library part "XKB TS3737", "Switch 160gr"
S3: library part 434331013822, "Interrupteurs de contact WS-TASU SMD Switch 3.5x2.9 x1.35mm"
T1: "MOS N 20V 3.6A Rds24mR - SOT23"
U1: "Li + LINEAR Charger WithSystem Power Path Management"
U2: "Power saving Push Button Load switch"
U3: "LDO Regulator - High PSRR - 300mA - Input Voltage 1.7V/5.5V - Ouput Voltage 1.5V"
U4: "Arm ® Cortex ® -M33 32-bit MCU+TrusZone® + FPU, 375 DMIPS 250 MHz, 2-Mbyte flash memory, 640 Kbytes RAM, Crypt"
U5: "Low voltage adjustable 1.5% precision shunt regulators, SOT23"
U7: "3.6V Data-Line Surge and 30kV ESD Protection Diode Array 5-SOT-23 -40 to 125"
U8: "LDO Regulator - High PSRR - 300mA - Input Voltage 1.7V/5.5V - Ouput Voltage 1.8V"
U9: "LDO Regulator - High PSRR - 300mA - Input Voltage 1.7V/5.5V - Ouput Voltage 2.8V"
WEEE: "WEEE Logo"
X1: library part "HCTL HC-FPC-05-09-24RLTAG", "0.5mm Side entry Flat Flexible Cable Connector, 12pin,  bottom contacts"

## Free pads (board coordinates)
  round 2.4 hole 1: 0(17.497,12.86) 0(38.997,12.86)
  round 0 hole 3.2 unplated: 2(11.5,83.62) 2(52.997,11.12)
  round 0 hole 4 slot 12.8 at 0 deg unplated: Fraisage(46.4,59.3)

## Via types
v1: diameter 0.65, hole 0.3, Top (1) to Bottom (4), tented both sides, 438 vias
v2: diameter 0.55, hole 0.2, Top (1) to Bottom (4), tented both sides, 91 vias
v3: diameter 0.65, hole 0.2, Top (1) to Bottom (4), tented both sides, 4 vias

## Nets (pads, with @x,y where several pads share a name; then routed paths per layer and width w, separated by ;. In a path a pad name is that pad's centre, name@x,y a point inside that pad or via, vN(x,y) a via of type N, cw(c..) or ccw(c..) an arc to the next point about the centre after c; other vN are vias at no path point)
BAT: C4.1 F2.2 U1.1 U1.2 | length 19
  Bottom (4) w1.5: 10,75.9 10.4,75.9 11.5,75.9 14.2,73.2 14.2,59.7 14.2,59.5
  other v1: 14.4,58.7 13.6,59.7 14.6,59.7 10.4,75.5 9.5,75.6 10,76.3
BAT_BSI: J6.2 J6.5
BL_A: J2.10 R12.1 | length 4.3
  Top (1) w0.25: J2.10@48.1,71.75 48.1,73 48.7,73.6 50.8,73.6 50.872,73.528 R12.1@50.9,73.5
BL_K: J2.11 T1.3 | length 9.1
  Top (1) w0.2: J2.11@48.6,71.75 48.6,72.7 48.8,72.9 49.1,72.9
  Top (1) w0.25: 49.1,72.9 54.4,72.9 54.8,73.3 T1.3@54.8,74.675 54.8,74.9 T1.3@54.7,75
C\E\B\: D3.1 Q1.3 U1.6 | length 11.8
  Top (1) w0.2: D3.1@5.8,81.4 5.8,81.2 5.8,73.9 5.8,73.2 6.7,72.3 8.9,72.3 U1.6@9.05,72.3